# Altium PCB Clock_Board.PcbDoc (part 2 of 2)
Units mm, origin at the board's own origin, x right, y up, seen from the top; angles counter-clockwise.
Board outline 147.72 x 54.63 mm, 2 copper layers (Top Layer, Bottom Layer); 93 components, 96 nets, 439 pads, 453 vias.
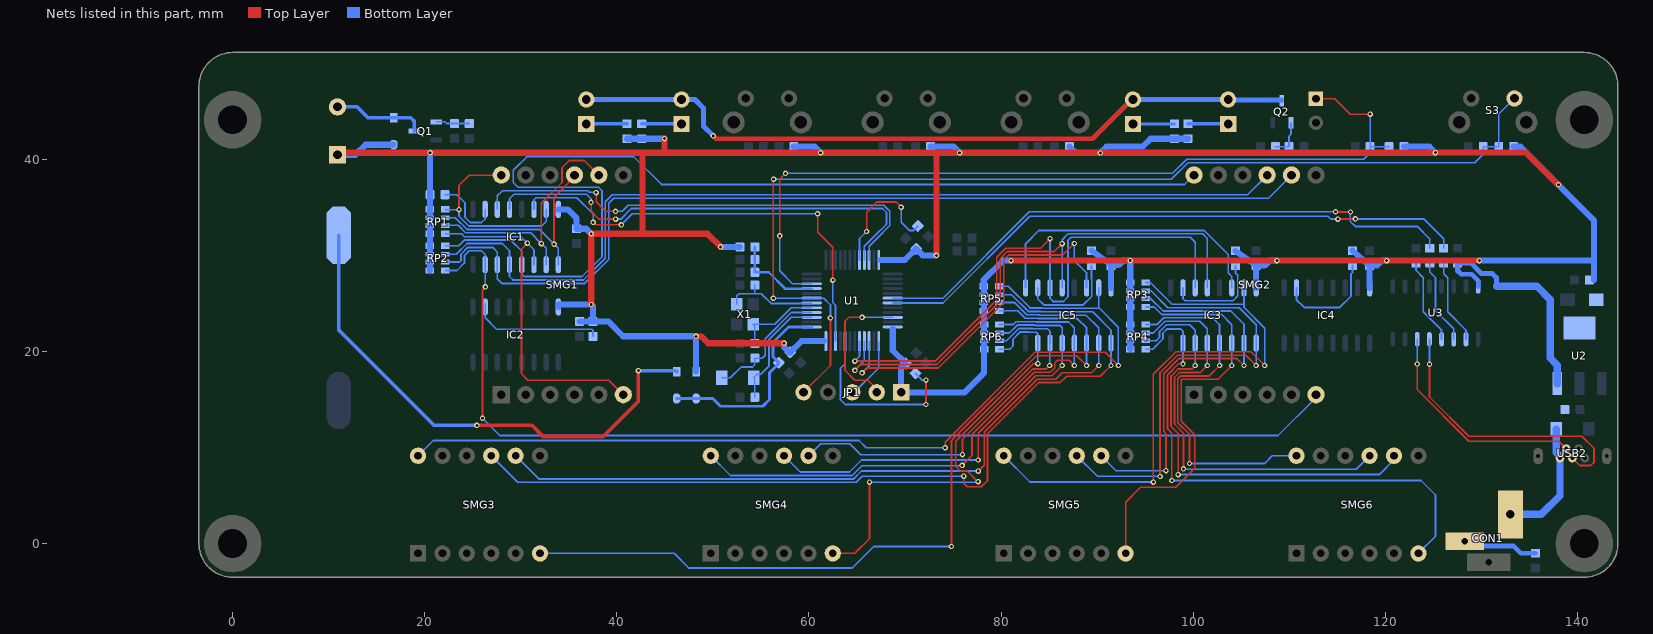
[diagram p2: the nets of this part, all layers, seen from the top]

## Via types
v1: diameter 0.559, hole 0.305, Top Layer to Bottom Layer, tented both sides, 264 vias
v2: diameter 0.6, hole 0.3, Top Layer to Bottom Layer, 157 vias
v3: diameter 0.8, hole 0.8, Top Layer to Bottom Layer, 32 vias

## Nets (pads, with @x,y where several pads share a name; then routed paths per layer and width w, separated by ;. In a path a pad name is that pad's centre, name@x,y a point inside that pad or via, vN(x,y) a via of type N, cw(c..) or ccw(c..) an arc to the next point about the centre after c; other vN are vias at no path point) (continued)
MCU_3.3V: C1.1 C2.1 C16.1 C17.2 C18.2 C19.2 C20.2 C23.1 C24.1 C25.1 D1.2 D4.1 IC1.16 IC2.16 IC3.16 IC4.16 IC5.16 JP1.1 LS1.1 R1.2 R2.2 R3.2 R4.2 R9.2 R10.2 R12.2 R13.1 R16.2 R17.2 R18.2 R19.2 R20.2 R24.2 R25.2 RP1.5 RP1.6 RP1.7 RP1.8 RP2.5 RP2.6 RP2.7 RP2.8 RP3.1 RP3.2 RP3.3 RP3.4 RP4.1 RP4.2 RP4.3 RP4.4 RP5.5 RP5.6 RP5.7 RP5.8 RP6.5 RP6.6 RP6.7 RP6.8 U1.24 U1.36 U1.48 U2.4 | length 405.3
  Top Layer w0.635: LS1.1@10.922,40.466 11.147,40.691 42.672,40.691 ; v1(37.338,24.892) v1(37.338,32.258) 42.672,32.258 ; v1(44.958,42.151) 44.958,40.691 ; v1(48.246,21.581) 48.777,21.581 49.5,20.858 v1(57.41,20.858) ; v1(50.8,30.886) 49.428,32.258 42.672,32.258 ; v1(73.258,30.012) 73.258,40.543 73.406,40.691 ; v1(81.031,29.459) 81.036,29.464 v1(108.712,29.464) v1(120.142,29.464) v1(129.794,29.464) ; v1(90.33,40.669) 90.4,40.669 v1@90.424,40.693 ; v1(138.02,37.355) 134.677,40.698 v1(125.2,40.698) 125.194,40.693 v1@90.424,40.693 ; 42.672,32.258 42.672,40.691 ; 42.672,40.691 44.958,40.691 ; 44.958,40.691 v1(61.214,40.691) 73.406,40.691 ; 73.406,40.691 v1(75.692,40.691) 75.694,40.689 90.424,40.689 v1@90.424,40.693
  Bottom Layer w0.635: LS1.1@10.922,40.466 12.78,40.466 13.84,41.526 D1.2@16.764,41.526 ; RP2.5@20.536,28.438 20.556,28.438 20.564,28.445 v1(20.564,40.693) ; IC2.16@33.909,24.638 33.909,24.85 33.951,24.892 v1(37.338,24.892) 37.513,24.717 R2.2@37.513,23.127 ; IC1.16@33.909,34.798 34.881,34.798 35.814,33.865 C1.1@35.814,32.779 36.817,32.779 v1(37.338,32.258) ; C2.1@36.116,23.127 R2.2@37.513,23.127 ; R25.2@41.069,42.151 R24.2@42.593,42.151 v1(44.958,42.151) ; D4.1@48.26,17.91 48.26,21.59 40.64,21.59 39.103,23.127 R2.2@37.513,23.127 ; v1(50.8,30.886) R13.1@52.819,30.886 ; 57.404,20.447 57.999,19.852 59.224,21.077 61.583,21.077 ; R16.2@58.42,41.323 60.582,41.323 v1(61.214,40.691) ; 67.448,29.531 69.997,29.531 C18.2@71.16,30.694 71.842,30.012 v1(73.258,30.012) ; 68.718,22.366 68.718,20.102 C19.2@70.064,18.756 69.596,18.288 JP1.1@69.596,15.748 76.2,15.748 78.232,17.78 RP6.5@78.232,20.24 RP6.6@78.232,21.12 RP6.7@78.232,21.92 RP6.8@78.232,22.8 78.232,26.781 78.224,26.788 RP5.8@78.194,26.788 78.194,27.462 80.196,29.464 81.026,29.464 v1(81.031,29.459) ; R10.2@72.657,41.323 75.06,41.323 v1(75.692,40.691) ; R9.2@87.122,41.323 87.776,40.669 v1(90.33,40.669) 90.998,41.337 94.742,41.337 95.556,42.151 R4.2@98.044,42.151 R3.2@99.441,42.151 ; R20.2@89.408,30.493 91.476,28.992 C24.1@91.484,28.987 ; IC5.16@91.44,26.626 C24.1@91.44,28.943 C24.1@91.484,28.987 ; RP4.1@93.445,20.24 RP4.2@93.445,21.12 RP4.3@93.445,21.92 RP4.4@93.445,22.8 RP3.1@93.445,24.628 RP3.2@93.445,25.508 RP3.3@93.445,26.308 RP3.4@93.445,27.188 v1(93.445,29.464) 92.71,29.464 92.233,28.987 C24.1@91.484,28.987 ; R18.2@104.394,30.48 C23.1@106.553,28.943 ; IC3.16@106.553,26.626 C23.1@106.553,28.943 ; v1(108.712,29.464) 107.95,29.464 107.429,28.943 C23.1@106.553,28.943 ; R19.2@116.586,30.493 C25.1@118.364,28.943 ; IC4.16@118.364,26.626 C25.1@118.364,28.943 ; v1(120.142,29.464) 119.647,29.464 119.157,28.974 118.395,28.974 C25.1@118.364,28.943 ; R17.2@121.946,41.323 124.575,41.323 v1(125.2,40.698) ; v1(129.794,29.464) 141.732,29.464 ; R12.2@133.363,41.323 134.041,41.323 v1@138.009,37.355 ; v1(138.02,37.355) 138.02,37.34 141.732,33.628 141.732,29.464 ; 141.732,27.432 141.732,29.464
MCU_RST: C13.2 JP1.5 R12.1 S3.1 U1.7 | length 112
  Top Layer w0.178: v1(56.29,25.544) 56.29,37.894 v1(56.325,37.929) ; JP1.5@59.436,15.748 62.236,18.548 62.236,23.471 v1(62.22,23.487)
  Bottom Layer w0.178: v1(56.29,25.544) 60.279,25.544 U1.7@60.289,25.554 61.527,25.554 62.236,24.845 62.236,23.503 v1(62.22,23.487) ; v1(56.325,37.929) 97.73,37.929 99.46,39.659 129.321,39.659 130.188,40.526 C13.2@130.188,41.323 R12.1@131.813,41.323 131.813,44.719 S3.1@133.441,46.347
MR0: IC3.10 R18.1 | length 10.4
  Bottom Layer w0.178: IC3.10@98.933,26.626 98.933,25.508 99.165,25.276 104.14,25.276 104.648,25.784 104.648,27.94 104.394,28.194 R18.1@104.394,28.93
NetC5_2: C5.2 U1.5 X1.3 | length 8.9
  Bottom Layer w0.178: C5.2@54.368,20.828 54.368,22.648 X1.3@54.19,22.826 56.43,22.826 58.158,24.554 U1.5@60.289,24.554
NetC6_1: C6.1 U1.3 X2.2 | length 12.4
  Bottom Layer w0.178: C6.1@54.369,15.24 54.369,17.131 X2.2@54.228,17.272 54.583,17.627 54.991,17.627 55.83,18.466 55.83,21.22 58.164,23.554 U1.3@60.289,23.554
NetC7_2: C7.2 U1.6 X1.1 | length 10.1
  Bottom Layer w0.178: X1.1@52.49,24.926 52.49,25.786 52.727,26.023 54.371,26.023 ; C7.2@54.368,26.924 54.368,26.026 54.371,26.023 ; U1.6@60.289,25.054 60.233,24.998 56.064,24.998 55.039,26.023 54.371,26.023
NetC8_1: C8.1 U1.4 X2.1 | length 13.6
  Bottom Layer w0.178: X2.1@50.928,17.272 51.816,17.272 52.935,18.391 54.117,18.391 54.368,18.643 C8.1@54.368,19.304 55.118,19.304 55.436,19.622 55.436,21.33 58.161,24.054 U1.4@60.289,24.054
NetC27_1: C27.1 U3.4 | length 9
  Bottom Layer w0.178: C27.1@123.19,29.197 123.19,28.448 123.952,27.686 123.952,24.13 125.857,22.225 U3.4@125.857,21.272
NetCON1_3: CON1.3 R26.1 | length 7.9
  Bottom Layer w0.508: CON1.3@128.27,0.254 128.778,-0.254 133.35,-0.254 134.099,-1.003 R26.1@135.636,-1.003
NetD1_1: D1.1 LS1.2 Q1.3 | length 9.6
  Bottom Layer w0.381: LS1.2@10.922,45.466 12.954,45.466 14.094,44.326 D1.1@16.764,44.326 18.542,44.326 18.923,43.945 Q1.3@18.923,42.951
NetIC1_10: IC1.10 R1.1 | length 7.4
  Bottom Layer w0.178: R1.1@22.111,36.322 23.345,36.322 24.195,35.472 24.195,33.971 24.739,33.427 25.916,33.427 26.289,33.8 IC1.10@26.289,34.798
NetIC2_10: IC2.10 R2.1 | length 13.8
  Bottom Layer w0.178: IC2.10@26.289,24.975 26.289,23.498 27.479,22.309 37.381,22.309 37.513,22.177 R2.1@37.513,21.577
NetIC4_10: IC4.10 R19.1 | length 11
  Bottom Layer w0.178: IC4.10@110.744,26.626 110.744,25.4 111.556,24.588 115.266,24.588 116.426,25.748 116.426,28.071 116.586,28.231 R19.1@116.586,28.943
NetIC5_10: IC5.10 R20.1 | length 10.6
  Bottom Layer w0.178: IC5.10@83.82,26.626 83.82,25.459 84.43,24.849 88.564,24.849 89.442,25.727 89.442,27.475 89.408,27.509 R20.1@89.408,28.943
NetLED1_1: LED1.1 R3.1 | length 4.2
  Bottom Layer w0.381: R3.1@99.441,43.701 103.619,43.701 LED1.1@103.632,43.688
NetLED1_2: LED1.2 LED2.2 LED3.2 LED4.2 Q2.3 | length 77
  Top Layer w0.508: v1(50.038,42.45) 50.336,42.152 89.518,42.152 93.594,46.228 LED2.2@93.726,46.228
  Bottom Layer w0.508: LED4.2@36.83,46.228 LED3.2@46.736,46.228 48.131,46.228 49.022,45.337 49.022,43.466 v1(50.038,42.45) ; LED2.2@93.726,46.228 LED1.2@103.632,46.228 103.695,46.164 109.216,46.164 109.22,46.16 Q2.3@109.22,46.101
NetLED2_1: LED2.1 R4.1 | length 4.3
  Bottom Layer w0.305: LED2.1@93.726,43.688 93.739,43.701 R4.1@98.044,43.701
NetLED3_1: LED3.1 R24.1 | length 4.1
  Bottom Layer w0.381: R24.1@42.593,43.701 46.723,43.701 LED3.1@46.736,43.688
NetLED4_1: LED4.1 R25.1 | length 4.2
  Bottom Layer w0.381: LED4.1@36.83,43.688 36.843,43.701 R25.1@41.069,43.701
NetQ1_1: Q1.1 R7.2 R8.1 | length 3.5
  Bottom Layer w0.178: Q1.1@21.209,43.901 22.098,43.901 22.273,43.726 R8.1@23.114,43.726 R7.2@24.638,43.726
NetQ2_1: Q2.1 R5.2 R23.1 | length 4
  Bottom Layer w0.178: R5.2@108.567,41.323 R23.1@109.969,41.323 109.969,42.418 110.17,42.619 Q2.1@110.17,43.815
NetR6_1: R6.1 U1.20 | length 13.4
  Top Layer w0.178: v1(66,32.498) 66,34.504 67.056,35.56 69.088,35.56 69.596,35.052 v1(69.596,35.017)
  Bottom Layer w0.178: U1.20@65.266,29.531 65.266,31.764 v1(66,32.498) ; v1(69.596,35.017) 69.596,33.451 70.442,32.605 70.891,32.605 71.334,33.047 R6.1@71.334,33.06
NetR11_2: R11.2 U1.44 | length 19.3
  Top Layer w0.178: v1(72.176,14.478) v1(72.176,17.018)
  Bottom Layer w0.178: U1.44@63.766,21.077 63.766,18.74 63.28,18.254 63.28,14.964 63.766,14.478 v1(72.176,14.478) ; R11.2@71.08,17.74 71.802,17.018 v1(72.176,17.018)
NetR21_2: R21.2 U3.2 | length 8.9
  Bottom Layer w0.178: R21.2@126.069,29.197 126.069,28.109 126.492,27.686 126.492,24.13 128.397,22.225 U3.2@128.397,21.272
NetR22_2: R22.2 U3.3 | length 9
  Bottom Layer w0.178: R22.2@124.629,29.197 124.629,28.279 125.222,27.686 125.222,24.257 127.127,22.352 U3.3@127.127,21.272
Q7': IC3.14 IC5.9 | length 30.9
  Bottom Layer w0.178: IC5.9@82.55,26.626 82.55,31.22 83.929,32.599 101.137,32.599 103.632,30.104 103.632,28.194 104.013,27.813 IC3.14@104.013,26.626
SWCLK_PA14: JP1.3 U1.37 | length 6.6
  Bottom Layer w0.178: JP1.3@64.516,15.748 64.726,15.748 67.266,18.288 U1.37@67.266,21.077
SWDIO_PA13: JP1.2 U1.34 | length 14.7
  Top Layer w0.178: v1(65.532,23.554) 64.166,23.554 63.754,23.142 63.754,18.034 64.77,17.018 66.142,17.018 67.056,16.104 JP1.2@67.056,15.748
  Bottom Layer w0.178: v1(65.532,23.554) U1.34@68.718,23.554
UD+: U3.5 USB2.3 | length 29.5
  Top Layer w0.178: v1(124.599,18.672) 124.599,15.263 128.686,11.176 140.462,11.176 141.732,9.906 141.732,8.486 141.374,8.128 140.238,8.128 USB2.3@139.476,8.89
  Bottom Layer w0.178: v1@124.587,18.669 U3.5@124.587,21.272
UD-: U3.6 USB2.2 | length 23.3
  Top Layer w0.178: v1(123.319,18.696) 123.319,16.04 128.691,10.668 138.048,10.668 USB2.2@138.826,9.89
  Bottom Layer w0.178: v1@123.317,18.669 U3.6@123.317,21.272
USART1_RXD_PA9: R22.1 U1.30 | length 62.4
  Top Layer w0.178: v1(114.808,34.544) 114.824,34.528 v1(116.37,34.528)
  Bottom Layer w0.178: U1.30@68.718,25.554 73.952,25.554 82.942,34.544 v1(114.808,34.544) ; v1(116.37,34.528) 116.337,34.495 116.337,33.537 116.855,33.02 123.317,33.02 124.629,31.708 R22.1@124.629,30.747
USART1_TXD_PA10: R21.1 U1.31 | length 63.1
  Top Layer w0.178: v1(115.062,33.782) 115.083,33.803 v1(116.883,33.803)
  Bottom Layer w0.178: U1.31@68.718,25.054 73.955,25.054 82.986,34.085 114.038,34.085 114.341,33.782 v1(115.062,33.782) ; v1(116.883,33.803) 123.991,33.803 126.069,31.725 R21.1@126.069,30.747
VBAT: C10.2 D2.2 D4.2 U1.1 | length 21.6
  Bottom Layer w0.305: D2.2@46.228,15.11 D4.2@48.26,15.11 49.989,15.11 50.8,14.299 55.193,14.299 55.889,14.995 55.889,17.789 56.856,18.756 C10.2@56.856,18.836 56.249,19.443 56.249,20.943 57.86,22.554 U1.1@60.289,22.554
VBAT_IN: BT1.1 D2.1 | length 54.4
  Top Layer w0.381: v1(25.424,12.309) 31.159,12.309 32.317,11.151 38.594,11.151 42.234,14.791 v1(42.234,18.004)
  Bottom Layer w0.381: BT1.1@11.049,32.097 11.049,22.225 20.965,12.309 v1(25.424,12.309) ; v1(42.234,18.004) 42.238,18 46.138,18 D2.1@46.228,17.91
VCC_5V: C14.1 C15.2 C26.1 CON1.1 U2.3 U3.16 USB2.1 | length 37.8
  Bottom Layer w0.508: U3.16@129.667,26.776 129.667,27.358 128.981,28.043 127.892,28.043 127.508,28.427 C26.1@127.508,29.197 128.924,29.197 130.011,28.109 131.149,28.109 131.572,27.686 131.572,26.776
  Bottom Layer w0.762: 131.572,26.776 135.784,26.776 137.16,25.4 137.16,19.325 137.908,18.577 U2.3@137.908,16.658 ; CON1.1@133.02,3.054 136.247,3.054 138.176,4.983 USB2.1@138.176,8.89 138.15,8.916 138.15,9.14 137.776,9.513 C14.1@137.776,11.938
VDDA: C11.2 C12.2 R13.2 U1.9 | length 9.3
  Bottom Layer w0.254: R13.2@54.369,30.886 C12.2@54.369,29.566 C11.2@54.369,28.245 55.807,28.245 57.497,26.554 U1.9@60.289,26.554
W0_COM1: IC5.15 RP5.1 SMG3.12 | length 99.2
  Top Layer w0.178: v1(74.177,9.979) 74.177,10.556 83.534,19.914 90.83,19.914 v1(92.202,18.542)
  Bottom Layer w0.178: SMG3.12@19.304,9.144 20.898,10.738 65.208,10.738 65.967,9.979 v1(74.177,9.979) ; RP5.1@79.794,26.788 80.758,26.788 83.018,24.528 84.249,24.528 84.283,24.493 90.25,24.493 ; IC5.15@90.17,26.626 90.17,24.573 90.25,24.493 ; v1(92.202,18.542) 92.202,22.541 90.25,24.493
W0_COM2: IC5.1 RP5.2 SMG3.9 | length 91.8
  Top Layer w0.178: v1(76.11,7.017) 76.11,6.285 76.488,5.907 77.942,5.907 78.588,6.552 78.588,11.447 83.906,16.766 86.171,16.766 86.83,17.424 90.322,17.424 v1(91.435,18.537)
  Bottom Layer w0.178: SMG3.9@26.924,9.144 29.687,6.381 64.928,6.381 65.564,7.017 v1(76.11,7.017) ; RP5.2@79.794,25.908 81.077,25.908 82.813,24.172 84.101,24.172 84.136,24.138 89.527,24.138 91.44,22.225 91.44,18.542 v1(91.435,18.537)
W0_COM3: IC5.2 RP5.3 SMG3.8 | length 84
  Top Layer w0.178: v1(77.623,7.549) 78.232,8.158 78.232,11.594 83.759,17.121 85.701,17.121 86.36,17.78 89.408,17.78 v1(90.17,18.542)
  Bottom Layer w0.178: SMG3.8@29.464,9.144 31.871,6.737 64.649,6.737 65.475,7.563 77.609,7.563 v1(77.623,7.549) ; RP5.3@79.794,25.108 81.374,25.108 82.665,23.817 83.954,23.817 83.989,23.782 88.842,23.782 90.17,22.454 IC5.2@90.17,20.872 v1(90.17,18.542)
W0_COM4: IC5.3 RP5.4 SMG3.6 | length 87.3
  Top Layer w0.178: v1(74.826,-0.299) 74.826,10.703 83.682,19.558 87.884,19.558 v1(88.9,18.542)
  Bottom Layer w0.178: SMG3.6@32.004,-1.016 45.974,-1.016 47.498,-2.54 64.516,-2.54 66.757,-0.299 v1(74.826,-0.299) ; RP5.4@79.794,24.228 81.751,24.228 82.518,23.461 83.807,23.461 83.841,23.426 87.927,23.426 88.9,22.454 IC5.3@88.9,20.872 v1(88.9,18.542)
W0_COM5: IC5.4 RP6.1 SMG4.12 | length 57.6
  Top Layer w0.178: v1(75.945,8.152) 76.962,9.17 76.962,11.33 83.465,17.832 85.148,17.832 85.598,18.283 85.598,18.796 85.89,19.088 87.084,19.088 v1(87.63,18.542)
  Bottom Layer w0.178: SMG4.12@49.784,9.144 51.836,7.092 64.496,7.092 65.514,8.11 75.902,8.11 v1(75.945,8.152) ; RP6.1@79.832,22.8 81.241,22.8 81.547,23.106 83.659,23.106 83.694,23.071 87.013,23.071 87.63,22.454 IC5.4@87.63,20.872 v1(87.63,18.542)
W0_COM6: IC5.5 RP6.2 SMG4.9 | length 46.6
  Top Layer w0.178: v1(77.618,8.699) 77.618,11.483 83.612,17.477 85.295,17.477 v1(86.36,18.542)
  Bottom Layer w0.178: SMG4.9@57.404,9.144 59.1,7.448 64.224,7.448 65.475,8.699 v1(77.618,8.699) ; RP6.2@79.832,21.92 80.864,21.92 81.694,22.75 83.512,22.75 83.547,22.715 86.098,22.715 86.36,22.454 IC5.5@86.36,20.872 ; v1(86.36,18.542) IC5.5@86.36,20.668
W0_COM7: IC5.6 RP6.3 SMG4.8 | length 40.3
  Top Layer w0.178: v1(75.984,9.264) 75.984,10.855 83.317,18.188 84.698,18.188 v1(85.052,18.542)
  Bottom Layer w0.178: SMG4.8@59.944,9.144 59.983,9.144 61.222,10.383 64.256,10.383 65.385,9.253 75.973,9.253 v1(75.984,9.264) ; RP6.3@79.832,21.12 80.567,21.12 81.841,22.394 83.317,22.394 83.352,22.36 84.828,22.36 85.09,22.098 IC5.6@85.09,20.872 85.071,20.853 85.071,18.561 v1(85.052,18.542)
W0_COM8: IC5.7 RP6.4 SMG4.6 | length 47.5
  Top Layer w0.178: SMG4.6@62.484,-1.016 64.77,-1.016 66.294,0.508 v1(66.294,6.395) ; v1(77.615,6.453) 77.588,6.453 76.477,7.563 75.761,7.563 75.277,8.048 75.277,10.65 83.361,18.734 v1(83.82,18.734)
  Bottom Layer w0.178: v1(66.294,6.395) 66.302,6.387 77.549,6.387 v1(77.615,6.453) ; RP6.4@79.832,20.24 80.902,20.24 81.238,20.576 81.238,21.288 81.989,22.039 82.815,22.039 82.85,22.004 83.677,22.004 83.82,21.861 v1(83.82,18.734)
W0_COM9: IC3.15 RP3.5 SMG5.12 | length 61.2
  Top Layer w0.178: v1(95.854,6.406) 95.854,17.616 98.209,19.972 106.012,19.972 v1(107.442,18.542)
  Bottom Layer w0.178: SMG5.12@80.264,9.144 83.002,6.406 v1(95.854,6.406) ; RP3.5@95.045,27.188 95.518,27.188 97.785,24.921 105.28,24.921 ; IC3.15@105.283,26.626 105.283,24.924 105.28,24.921 ; v1(107.442,18.542) 107.442,22.432 105.28,24.594 105.28,24.921
W0_COM10: IC3.1 RP3.6 SMG5.9 | length 48.8
  Top Layer w0.178: v1(96.552,6.984) 96.552,17.812 98.357,19.616 105.479,19.616 v1(106.553,18.542)
  Bottom Layer w0.178: SMG5.9@87.884,9.144 90.029,6.999 96.537,6.999 v1(96.552,6.984) ; RP3.6@95.045,26.308 95.612,26.308 97.355,24.565 104.788,24.565 106.553,22.8 IC3.1@106.553,20.872 v1(106.553,18.542)
W0_COM11: IC3.2 RP3.7 SMG5.8 | length 42.5
  Top Layer w0.178: v1(97.169,7.599) 97.169,11.433 96.918,11.684 96.918,17.675 98.504,19.261 104.564,19.261 v1(105.283,18.542)
  Bottom Layer w0.178: SMG5.8@90.424,9.144 91.969,7.599 v1(97.169,7.599) ; RP3.7@95.045,25.508 95.576,25.508 96.875,24.21 103.912,24.21 105.283,22.839 IC3.2@105.283,20.872 v1(105.283,18.542)
W0_COM12: IC3.3 RP3.8 SMG5.6 | length 43.6
  Top Layer w0.178: SMG5.6@92.964,-1.016 92.964,4.318 94.506,5.86 98.178,5.86 100.161,7.842 100.161,11.34 98.755,12.746 98.755,16.998 98.859,17.102 102.573,17.102 v1(104.013,18.542)
  Bottom Layer w0.178: RP3.8@95.045,24.628 95.942,24.628 96.716,23.854 102.959,23.854 104.013,22.8 IC3.3@104.013,20.872 v1(104.013,18.542)
W0_COM13: IC3.4 RP4.5 SMG6.12 | length 38.2
  Top Layer w0.178: v1(99.615,8.346) 99.615,11.383 98.4,12.598 98.4,17.145 98.712,17.457 101.658,17.457 v1(102.743,18.542)
  Bottom Layer w0.178: RP4.5@95.045,22.8 96.221,22.8 96.92,23.498 102.045,23.498 102.743,22.8 IC3.4@102.743,20.872 v1(102.743,18.542) ; v1(99.615,8.346) 107.442,8.346 108.24,9.144 SMG6.12@110.744,9.144
W0_COM14: IC3.5 RP4.6 SMG6.9 | length 44.9
  Top Layer w0.178: v1(98.995,7.775) 98.995,11.5 98.044,12.451 98.044,17.292 98.565,17.813 100.744,17.813 v1(101.473,18.542)
  Bottom Layer w0.178: RP4.6@95.045,21.92 95.844,21.92 97.067,23.143 100.682,23.143 101.473,22.352 IC3.5@101.473,20.872 v1(101.473,18.542) ; v1(98.995,7.775) 99.014,7.756 116.976,7.756 SMG6.9@118.364,9.144
W0_COM15: IC3.6 RP4.7 SMG6.8 | length 47.2
  Top Layer w0.178: v1(98.434,7.184) 98.43,7.188 98.43,11.461 97.688,12.202 97.688,17.439 98.417,18.168 99.829,18.168 v1(100.203,18.542)
  Bottom Layer w0.178: RP4.7@95.045,21.12 96.151,21.12 96.497,21.467 96.497,22.07 97.214,22.787 99.641,22.787 100.203,22.225 IC3.6@100.203,20.872 v1(100.203,18.542) ; v1(98.434,7.184) 119.351,7.184 120.904,8.738 SMG6.8@120.904,9.144
W0_COM16: IC3.7 RP4.8 SMG6.6 | length 56.8
  Top Layer w0.178: v1(97.778,6.571) 97.778,11.492 97.333,11.938 97.333,17.587 98.461,18.715 v1(98.933,18.715)
  Bottom Layer w0.178: RP4.8@95.045,20.24 95.774,20.24 96.853,21.32 96.853,21.923 97.282,22.352 98.679,22.352 98.933,22.098 v1(98.933,18.715) ; v1(97.778,6.571) 123.705,6.571 125.222,5.055 125.222,0.762 SMG6.6@123.444,-1.016
W_COM_1: IC1.15 RP1.1 SMG1.12 | length 20.4
  Top Layer w0.178: v1(23.572,34.768) 23.572,37.288 24.638,38.354 27.96,38.354 SMG1.12@27.969,38.363
  Bottom Layer w0.178: RP1.1@22.136,34.808 22.176,34.768 v1(23.572,34.768) 23.572,34.091 24.6,33.063 32.174,33.063 32.639,33.528 IC1.15@32.639,34.798
W_COM_2: IC1.1 RP1.2 SMG1.9 | length 22.9
  Top Layer w0.178: v1(33.465,31.166) 33.465,36.053 35.589,38.177 SMG1.9@35.589,38.363
  Bottom Layer w0.178: RP1.2@22.136,33.928 23.175,33.928 24.395,32.708 31.935,32.708 33.909,30.734 IC1.1@33.909,29.044
W_COM_3: IC1.2 RP1.3 SMG1.8 | length 26.7
  Top Layer w0.178: v1(32.144,31.229) 32.144,35.446 34.29,37.592 34.29,39.116 35.052,39.878 36.614,39.878 SMG1.8@38.129,38.363
  Bottom Layer w0.178: RP1.3@22.136,33.128 23.472,33.128 24.248,32.352 31.021,32.352 v1(32.144,31.229) 32.639,30.734 IC1.2@32.639,29.044
W_COM_4: IC1.3 RP1.4 SMG1.6 | length 36.8
  Top Layer w0.178: v1(30.691,31.276) 30.074,30.658 30.074,17.678 30.734,17.018 39.154,17.018 SMG1.6@40.669,15.503
  Bottom Layer w0.178: RP1.4@22.136,32.248 23.849,32.248 24.144,31.953 30.014,31.953 v1(30.691,31.276) 31.369,30.598 IC1.3@31.369,29.044
W_COM_5: IC1.4 RP2.1 SMG2.12 | length 111.2
  Bottom Layer w0.178: RP2.1@22.136,30.998 23.53,30.998 24.13,31.598 28.956,31.598 30.099,30.455 IC1.4@30.099,29.044 30.099,28.055 30.355,27.799 36.376,27.799 38.447,29.87 38.447,36.728 38.091,37.084 29.714,37.084 29.21,37.588 29.21,38.854 30.657,40.301 41.74,40.301 44.658,37.383 99.096,37.383 SMG2.12@100.076,38.363
W_COM_6: IC1.5 RP2.2 SMG2.9 | length 97.1
  Bottom Layer w0.178: RP2.2@22.136,30.118 23.27,30.118 24.394,31.242 28.067,31.242 28.829,30.48 IC1.5@28.829,29.044 28.829,27.813 29.198,27.444 36.523,27.444 38.803,29.723 38.803,35.586 39.533,36.316 105.649,36.316 SMG2.9@107.696,38.363
W_COM_7: IC1.6 RP2.3 SMG2.8 | length 100.4
  Bottom Layer w0.178: RP2.3@22.136,29.318 23.628,29.318 23.774,29.464 23.774,30.119 24.491,30.836 27.076,30.836 27.559,30.353 IC1.6@27.559,29.044 27.559,27.559 28.03,27.088 36.671,27.088 39.158,29.576 39.158,35.439 39.68,35.961 107.833,35.961 SMG2.8@110.236,38.363
W_COM_8: IC1.7 RP2.4 SMG2.6 | length 112.2
  Top Layer w0.178: v1(26.015,13.047) 26.011,13.05 26.011,26.423 v1(26.312,26.723)
  Bottom Layer w0.178: RP2.4@22.136,28.438 23.358,28.438 24.13,29.21 24.13,29.972 24.638,30.48 25.908,30.48 26.289,30.099 26.289,29.318 26.3,29.307 26.3,26.735 v1(26.312,26.723) ; v1(26.015,13.047) 27.809,11.252 108.829,11.252 112.776,15.199 SMG2.6@112.776,15.503
WAKE_UP_GPIOA_0: C22.1 R17.1 S5.1 U1.10 | length 88.3
  Top Layer w0.178: v1(56.956,32.033) 56.956,37.947 v1(57.552,38.542) ; S5.1@112.776,46.315 114.721,46.315 116.332,44.704 v1(118.417,44.704)
  Bottom Layer w0.178: v1(56.956,32.033) 56.956,28.388 58.29,27.054 U1.10@60.289,27.054 ; v1(57.552,38.542) 97.84,38.542 99.313,40.015 117.739,40.015 118.417,40.693 C22.1@118.417,41.323 ; v1(118.417,44.704) C22.1@118.417,41.323 ; R17.1@120.396,41.323 C22.1@118.417,41.323
WEI0_DATA_IN: IC5.14 U1.39 | length 39
  Top Layer w0.178: v1(65.532,17.78) 66.04,18.288 73.457,18.288 80.264,25.095 80.264,29.518 80.794,30.048 86.436,30.048 v1(87.63,31.242)
  Bottom Layer w0.178: v1(65.532,17.78) 66.266,18.514 U1.39@66.266,21.077 ; v1(87.63,31.242) 87.63,29.463 88.666,28.427 88.9,28.193 IC5.14@88.9,26.626
WEI0_DATA_MOVE: IC3.11 IC5.11 U1.41 | length 63.1
  Top Layer w0.178: v1(64.77,18.999) 73.163,18.999 79.553,25.389 79.553,29.812 80.5,30.759 84.099,30.759 v1(85.09,31.75)
  Bottom Layer w0.178: v1(64.77,18.999) 65.266,19.495 U1.41@65.266,21.077 ; v1(85.09,31.75) IC5.11@85.09,26.626 85.09,25.529 85.413,25.206 86.492,25.206 86.972,25.685 86.972,31.571 87.288,31.888 99.703,31.888 100.203,31.388 IC3.11@100.203,26.626
WEI0_DATA_OUT: IC3.12 IC5.12 U1.40 | length 58.8
  Top Layer w0.178: v1(64.77,18.034) 65.38,18.644 73.31,18.644 79.908,25.242 79.908,29.665 80.647,30.404 85.544,30.404 v1(86.36,31.22)
  Bottom Layer w0.178: v1(64.77,18.034) 65.766,19.03 U1.40@65.766,21.077 ; IC5.12@86.36,26.626 v1(86.36,31.22) 86.36,31.632 86.972,32.243 100.99,32.243 101.473,31.76 IC3.12@101.473,26.626
WEI_DATA_IN: IC1.14 U1.46 | length 46.8
  Top Layer w0.178: v1(37.531,33.448) 37.793,33.186 v1(40.465,33.186) ; v1(60.91,34.337) 60.91,32.41 62.484,30.836 v1(62.484,27.432)
  Bottom Layer w0.178: IC1.14@31.369,34.798 31.369,35.787 31.599,36.017 35.824,36.017 37.531,34.31 v1(37.531,33.448) ; v1(40.465,33.186) 41.616,34.337 v1(60.91,34.337) ; v1(62.484,27.432) 62.484,25.1 62.766,24.818 U1.46@62.766,21.077
WEI_DATA_MOVE: IC1.11 U1.22 | length 50.4
  Top Layer w0.178: v1(37.846,36.538) 37.846,35.6 38.856,34.59 v1(39.866,34.59)
  Bottom Layer w0.178: IC1.11@27.559,34.798 27.559,36.195 28.092,36.728 36.991,36.728 37.143,36.576 37.808,36.576 v1(37.846,36.538) ; v1(39.866,34.59) 40.553,34.59 41.202,35.239 67.798,35.239 68.424,34.613 68.424,33.113 66.959,31.648 66.266,30.955 U1.22@66.266,29.531
WEI_DATA_OUT: IC1.12 U1.21 | length 48.9
  Top Layer w0.178: v1(37.305,35.525) 37.338,35.492 37.338,34.59 38.146,33.782 v1(39.878,33.782)
  Bottom Layer w0.178: IC1.12@28.829,34.798 28.829,35.915 29.286,36.373 36.843,36.373 37.305,35.911 v1(37.305,35.525) ; v1(39.878,33.782) 40.408,33.782 41.509,34.883 67.651,34.883 68.068,34.466 68.068,33.26 66.812,32.004 65.766,30.958 U1.21@65.766,29.531
pads on no net: IC1.9 IC2.9 IC3.9 IC4.9 S1.0 S2.0 S3.0 S4.0 U1.2 U1.11 U1.12 U1.13 U1.18 U1.28 U1.29 U1.32 U1.33 U1.38 U2.2 U3.7 U3.8 U3.9 U3.10 U3.11 U3.12 U3.13 U3.14 U3.15 X1.2 X1.4
copper on no net:
  other v3: 0,-2.299 140.716,-2.299 -1.65,-1.65 1.65,-1.65 139.066,-1.65 142.366,-1.65 -2.25,0 2.25,0 138.466,0 142.966,0 -1.65,1.591 1.591,1.591 139.066,1.591 142.307,1.591 0,2.25 140.716,2.25 0,41.826 140.716,41.826 -1.65,42.475 1.65,42.475 139.066,42.475 142.366,42.475 -2.25,44.125 2.25,44.125 138.466,44.125 142.966,44.125 -1.65,45.716 1.591,45.716 139.066,45.716 142.307,45.716 0,46.375 140.716,46.375

## Polygon pours and split planes (outlines as drawn)
GND on Top Layer "GGND_TOP" (solid, remove dead copper, pour order 2): -10,52.5 150,52.5 150,-10 -10,-10
GGND on Top Layer "GGND_TOP" (solid, remove dead copper, pour order 0): 47.5,37.338 47.5,14.732 70.612,14.732 70.612,20.574 75.946,20.574 75.946,37.338
GND on Bottom Layer "GGND_TOP" (solid, remove dead copper, pour order 3): -10,52.5 150,52.5 150,-10 -10,-10
GGND on Bottom Layer "GGND_TOP" (solid, remove dead copper, pour order 1): 43.942,37.338 43.942,14.732 70.612,14.732 70.612,20.574 75.946,20.574 75.946,37.338

## Keep-outs
Keep-Out Layer:
  lines w0.2: -3.505,40.619 0.051,40.619 ; -3.5,3.5 0,3.5 cw(c0,0) 3.5,0 3.5,-3.489 ; 0,40.625 ccw(c0,44.125) 3.5,44.125 3.5,51.054 ; 137.216,-3.5 137.216,0 cw(c140.716,0) 140.716,3.5 ; 137.216,44.125 ccw(c140.716,44.125) 140.716,40.625 144.216,40.625 ; 137.222,44.04 137.222,51.054 ; 140.65,3.5 144.206,3.5 ; -3.5,0 ccw(c0,0) 0,-3.5 ; -3.5,0 ccw(c0,0) 0,-3.5 ; -3.5,0 ccw(c0,0) 0,-3.5 ; -3.5,0 -3.5,44.125 ; -3.5,0 -3.5,44.125 ; -3.5,0 -3.5,44.125 ; -3.5,44.125 -3.5,47.625 ; -3.5,44.125 -3.5,47.625 ; -3.5,47.625 cw(c0,47.625) 0,51.125 ; -3.5,47.625 cw(c0,47.625) 0,51.125 ; 0,-3.5 140.716,-3.5 ; 0,-3.5 140.716,-3.5 ; 0,-3.5 140.716,-3.5 ; 0,51.125 140.716,51.125 ; 0,51.125 140.716,51.125 ; 140.716,-3.5 ccw(c140.716,0) 144.216,0 ; 140.716,-3.5 ccw(c140.716,0) 144.216,0 ; 140.716,-3.5 ccw(c140.716,0) 144.216,0 ; 140.716,51.125 cw(c140.716,47.625) 144.216,47.625 ; 140.716,51.125 cw(c140.716,47.625) 144.216,47.625 ; 144.216,0 144.216,44.125 ; 144.216,0 144.216,44.125 ; 144.216,0 144.216,44.125 ; 144.216,44.125 144.216,47.625 ; 144.216,44.125 144.216,47.625

## Other copper
Top Layer:
  pour cut-out: -16.507,15.042
Bottom Layer:
  region net MCU_3.3V: 138.43,21.336 142.748,21.336 142.748,28.194 140.716,28.194 140.716,23.622 138.43,23.622
  region net VCC_5V: 137.414,17.78 137.414,12.954 136.906,12.954 136.906,11.176 139.192,11.176 139.192,14.732 138.43,14.732 138.43,17.78

## Silkscreen, mask and mechanical layers (free items; w line width, h text height)
Top Overlay:
  circle w0.13: c5.713,10.779 r0.287
  region: 5.426,10.779 cw(c5.713,10.779) 5.713,11.066 cw(c5.713,10.779) 6,10.779 cw(c5.713,10.779) 5.713,10.492 cw(c5.713,10.779)
  region: 7.596,6.997 cw(c4.071,8.694) 7.45,10.665 7.022,10.38 ccw(c4.071,8.694) 7.137,7.228 7.136,7.227
  region: 3.341,10.44 2.99,10.44 2.468,10.753 2.99,11.092 3.341,11.092 2.82,10.753
  region: 4.215,10.454 3.863,10.454 3.341,10.766 3.863,11.105 4.215,11.105 3.693,10.766
  region: 5.14,10.44 4.788,10.44 4.267,10.753 4.788,11.092 5.14,11.092 4.619,10.753
  lines w0.13: 7.137,7.228 cw(c4.071,8.694) 7.022,10.38 7.45,10.665 ccw(c4.071,8.694) 7.596,6.997 ; 2.468,10.753 2.99,11.092 3.341,11.092 2.82,10.753 3.341,10.44 2.99,10.44 2.468,10.753 ; 3.341,10.766 3.863,11.105 4.215,11.105 3.693,10.766 4.215,10.454 3.863,10.454 3.341,10.766 ; 4.267,10.753 4.788,11.092 5.14,11.092 4.619,10.753 5.14,10.44 4.788,10.44 4.267,10.753
  text "Z" at 1.204,7.261 h4.1
  text "F" at 2.898,7.261 h4.1
  text "L" at 4.592,7.261 h4.1
  text "Designer" at 2.116,6.218 h1.03
  text "R" at 10.414,-86.868 h0.76
  text "V" at 0.127,-86.995 h0.76
  text "D" at 2.921,-86.995 h0.76
  text "C" at 5.334,-86.995 h0.76
  text "G" at 7.747,-86.995 h0.76
Bottom Overlay:
  text "RST" at 133.096,40.354 h3
  text "UP" at 86.668,37.814 h3
  text "MODE" at 58.928,37.694 h3
  text "DOWN" at 72.898,37.694 h3
  text "DIO" at 66.752,11.863 h1.52 r270
  text "RST" at 58.829,11.684 h1.52 r270
  text "GND" at 61.427,11.31 h1.52 r270
  text "CLK" at 63.912,11.31 h1.52 r270
  text "VCC" at 69.104,11.176 h1.52 r270
Mechanical 1:
  lines w0.2: -3.5,0 ccw(c0,0) 0,-3.5 ; -3.5,0 ccw(c0,0) 0,-3.5 ; -3.5,0 -3.5,44.125 ; -3.5,0 -3.5,44.125 ; -3.5,44.125 -3.5,47.625 ; -3.5,44.125 -3.5,47.625 ; -3.5,47.625 cw(c0,47.625) 0,51.125 ; -3.5,47.625 cw(c0,47.625) 0,51.125 ; 0,-3.5 140.716,-3.5 ; 0,-3.5 140.716,-3.5 ; 0,51.125 140.716,51.125 ; 0,51.125 140.716,51.125 ; 140.716,-3.5 ccw(c140.716,0) 144.216,0 ; 140.716,-3.5 ccw(c140.716,0) 144.216,0 ; 140.716,51.125 cw(c140.716,47.625) 144.216,47.625 ; 140.716,51.125 cw(c140.716,47.625) 144.216,47.625 ; 144.216,0 144.216,44.125 ; 144.216,0 144.216,44.125 ; 144.216,44.125 144.216,47.625 ; 144.216,44.125 144.216,47.625
Mechanical 13:
  lines w0.2: -7.239,47.625 2.415,47.625 ; -7.114,-3.5 2.54,-3.5 ; -3.5,-9.654 -3.5,0 ; -3.5,42.926 -3.5,52.888 ; 0,52.451 0,44.069 1.932,48.996 7.112,48.996 ; 144.216,-9.654 144.216,0 ; 304.8,-70.644 304.8,-30.796 304.8,-30.763
  text "d=3mm" at 2.154,49.306 h0.76
Mechanical 15:
  circle w0.2: c140.716,0 r1.6
  circle w0.2: c0,0 r1.6
  circle w0.2: c0,44.125 r1.6
  circle w0.2: c140.716,44.125 r1.6
  lines w0.2: -2.032,39.76 -1.524,39.76 ; 144.216,48.692 -3.5,48.692 ccw(c-3.5,45.192) -7,45.192 -7,-3.5 ccw(c-3.5,-3.5) -3.5,-7 144.272,-7 ccw(c144.272,-3.5) 147.772,-3.5 147.772,45.192 ccw(c144.272,45.192) 144.272,48.692 ; -2.032,13.246 -2.032,39.851 142.54,39.851 142.54,13.246 -2.032,13.246
  lines w0.381: 55.685,12.614 90.667,12.614 90.667,36.988 55.685,36.903 55.685,12.614

## Dimensions
-3.5,52.888 to 0,52.451 on Mechanical 13
-7.114,-3.5 to -7.239,47.625 on Mechanical 13
-3.5,-9.654 to 144.216,-9.654 on Mechanical 13

## Text inside footprints (layer, text, board x,y; h text height)
USB2: Bottom Overlay "+" at 137.571,8.831 h1.02 r90